# Allegro board RK3588_Template_LP4XD200P232SD8_41R0X41R0_2133MHz_H1R0_V10_20211230.brd (continued)
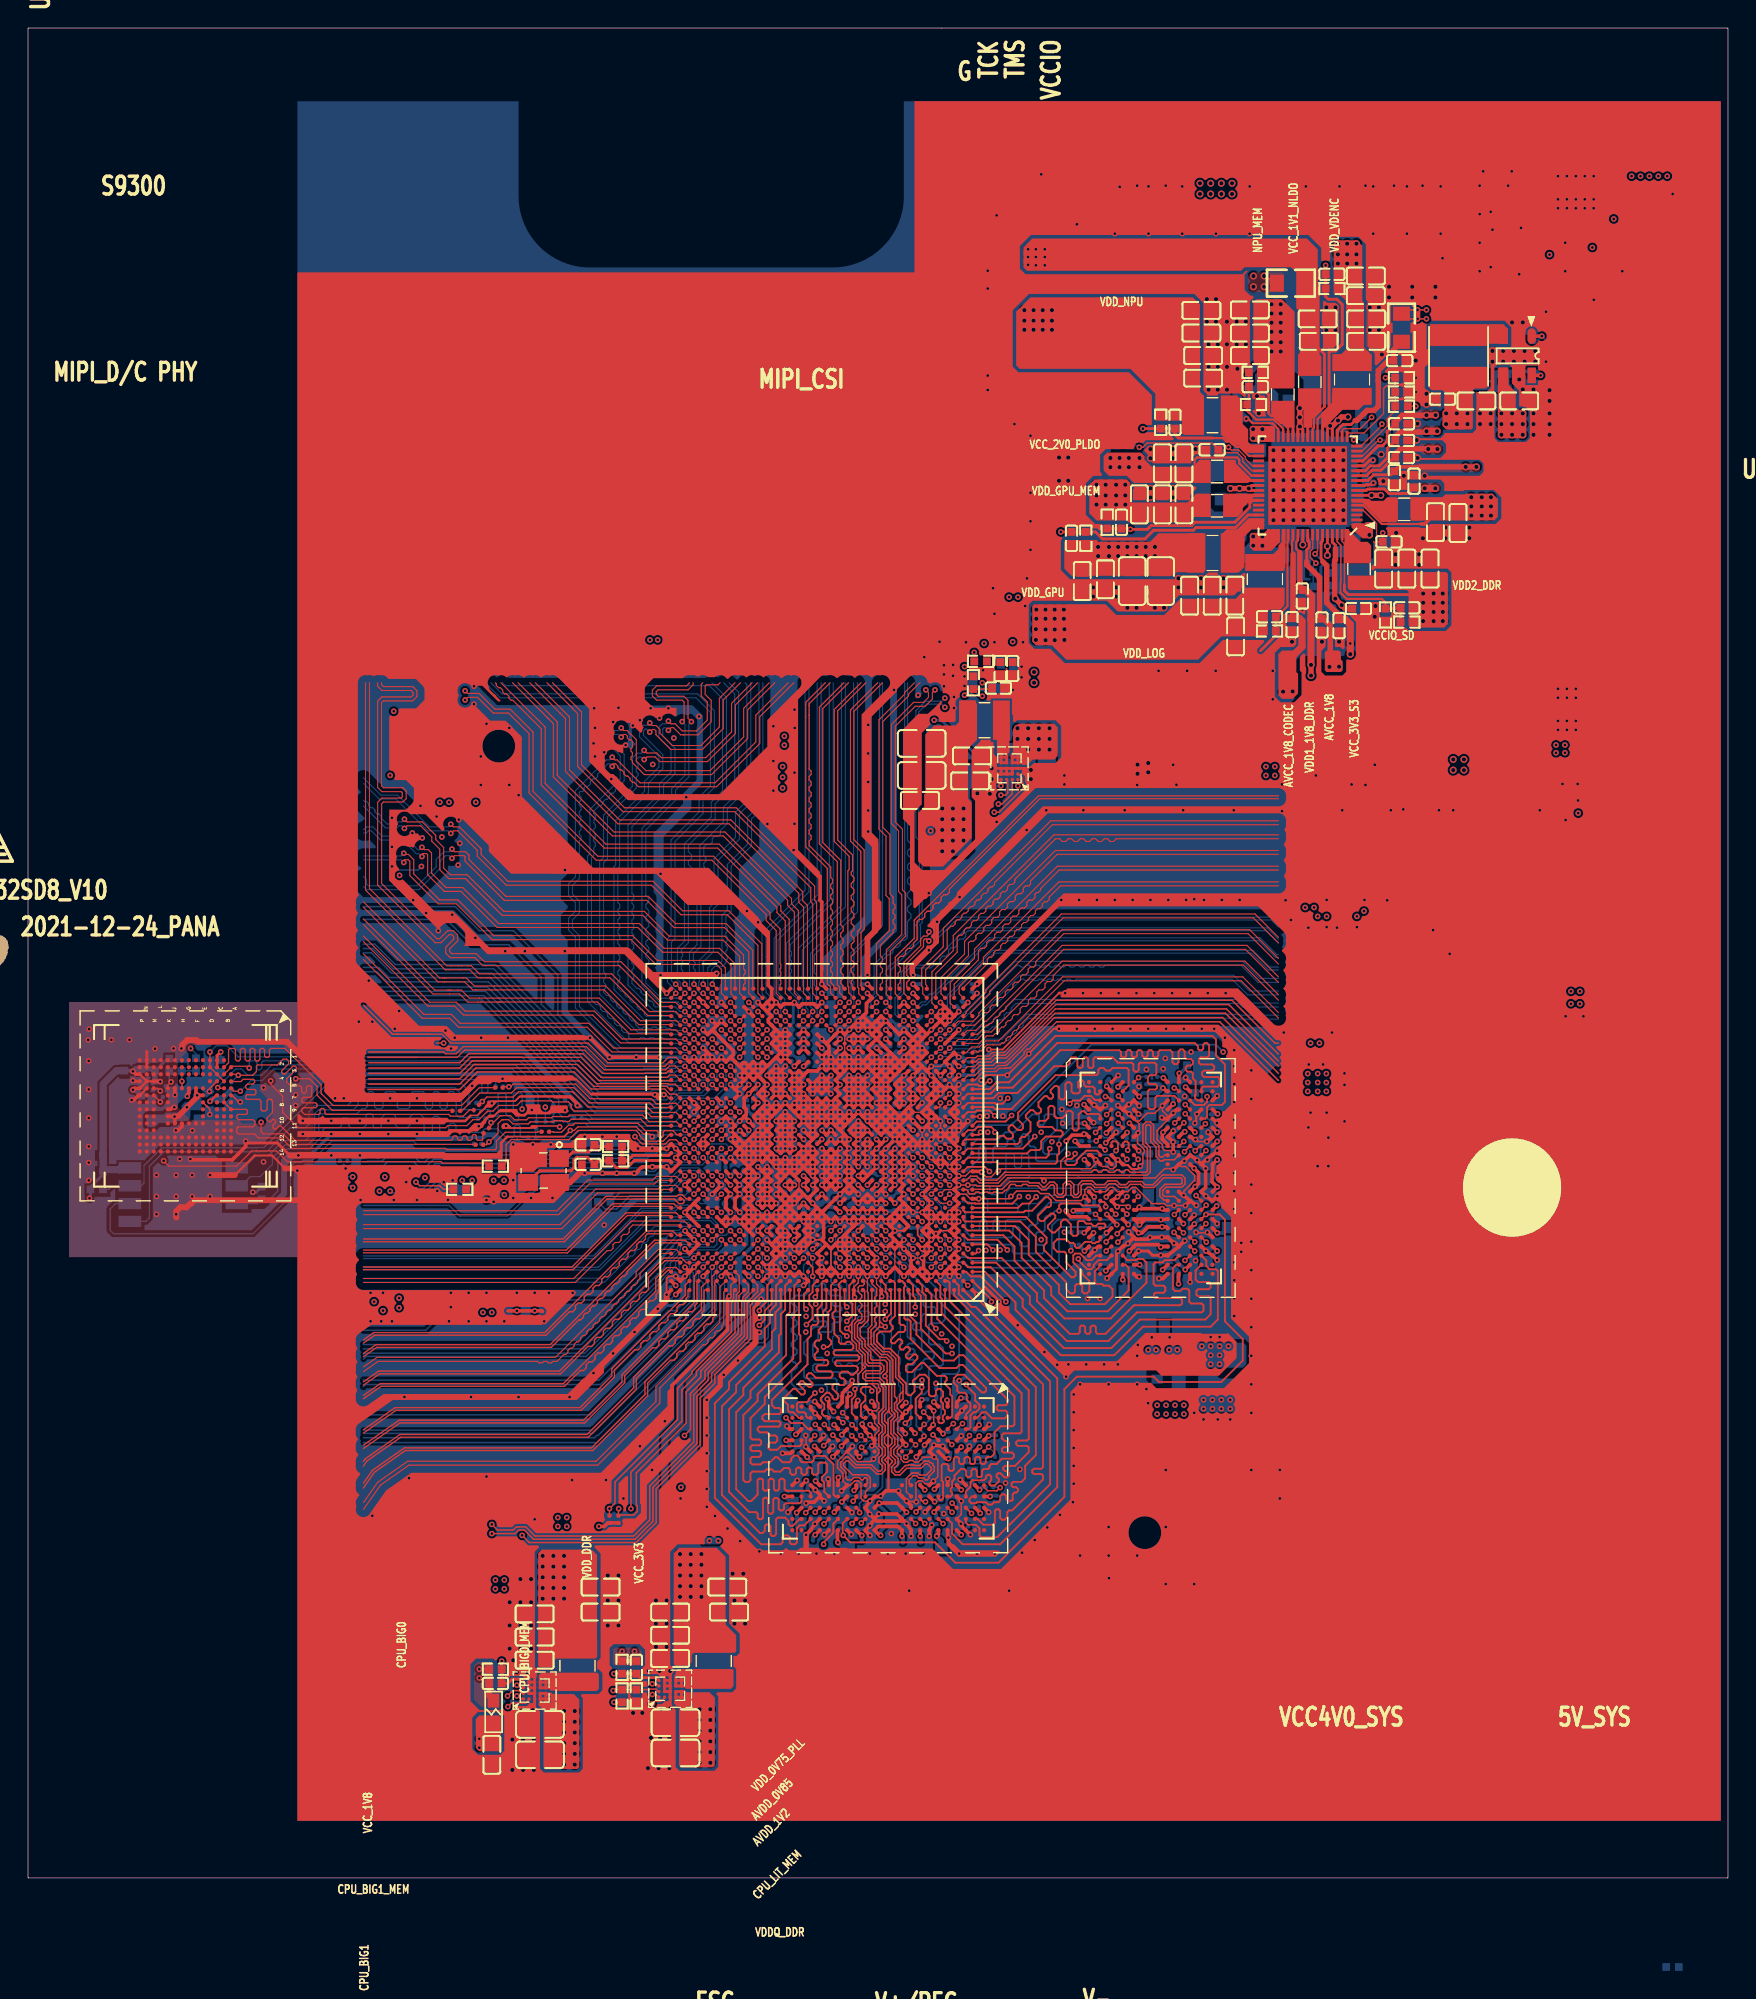
[diagram p0: board, top side]
## Routing (per net, layer and track width the routed paths; a pad name or vN(x,y) marks a point on that pad's centre or on a via; arc(x,y) is an arc through that point) (continued)
EMMC_DATA_STROBE: length 40
  TOP w0.086: v1(17.27,56.74) 17.27,56.52 18.12,55.66 18.12,54.52 19.24,53.41 29.74,53.41 29.89,53.56 31.25,53.56 31.67,53.99 32.12,53.99 32.66,54.53 32.66,54.53 32.72,54.59 33.1,54.59 33.5,54.99 34.73,54.99 34.73,54.99 34.8,54.99 35.12,55.32 35.61,55.32 35.62,55.31 35.63,55.32 37.26,55.32 37.33,55.25 38.47,55.25 38.67,55.05 38.67,54.79 38.73,54.73
  TOP w0.089: 38.73,54.73 38.87,54.6 43.96,54.6 44.35,54.2 U1000.Y34
  L6-S2 w0.079: v1(17.27,56.74) 17.27,57.07 16.01,58.33 15.24,58.33 14.99,58.08 12.54,58.08 v1(11.58,59.05)
  BOTTOM w0.086: v1(11.58,59.05) 11.96,58.67 R4003.1
EMMC_RSTN: length 24.7
  TOP w0.086: v1(10.18,56.67) 9.95,56.45 U4000.K5 ; R1318.2 30.19,54.65 21.65,54.65 20.6,55.69 20.6,55.71 20.57,55.73 20.57,56.36 20.04,56.9 v1(19.05,56.9)
  L6-S2 w0.079: v1(19.05,56.9) 18.8,56.9 17.66,55.76 16.5,55.76 15.42,56.84 14.84,56.84 14.19,57.49 12.06,57.49 12.02,57.53 10.41,57.53 10.18,57.3 v1(10.18,56.67)
  BOTTOM w0.086: 10.05,57.46 R4002.2 10.05,56.8 v1(10.18,56.67)
ETH0_REFCLKO_25M: length 25.6
  TOP w0.089: v1(48.07,57.13) 48.39,56.8 U1000.AD30
  L6-S2 w0.089: v1(48.07,57.13) 47.72,57.47 46.64,57.47 46.32,57.79 45.03,57.79
  L6-S2 w0.104: 23.88,58.29 30.35,58.29 30.87,58.81 31.22,58.81 43.68,58.81 44.7,57.79 45.03,57.79
FSPI_CLK: length 33.2
  BOTTOM w0.086: R1304.2 31.72,52.22 27.66,52.22 27.43,52.45 21.61,52.45 20.24,51.09 19.59,51.09 19.44,50.93 18.98,50.93 18.68,50.63 18.68,50.05 18.67,50.04 18.67,48.52 16.01,45.86 6.08,45.86 5.84,46.1 5.84,47.62 6.22,48.01 U4300.6
FSPI_CS0: length 35.2
  L6-S2 w0.079: v1(36.83,54.87) 36.58,55.12 35.56,55.12 v1(35.18,54.74)
  BOTTOM w0.086: U4300.1 15.37,50.55 16.22,51.4 16.55,51.4 16.58,51.42 17.11,51.42 18.17,52.49 19.72,52.49 20.41,53.18 20.41,54.43 20.67,54.68 23.15,54.68 23.49,55.02 23.49,56.01 23.75,56.26 30.38,56.26 30.86,55.78 30.86,54.78 30.95,54.7 32.81,54.7 32.89,54.61 32.89,54.31 32.98,54.22 33.38,54.22 33.47,54.3 33.47,55.76 33.55,55.85 33.94,55.85 34.04,55.75 34.04,54.39 34.55,53.88 34.83,53.88 34.92,53.98 34.92,54.23 34.54,54.61 34.54,55.79 34.63,55.88 35.09,55.88 35.18,55.79 v1(35.18,54.74) ; v1(36.83,54.87) 36.83,53.87 R1305.2
FSPI_D0: length 32.5
  BOTTOM w0.086: R1300.2 31.39,55.98 31.15,56.23 31.15,56.25 30.85,56.55 23.4,56.55 22.99,56.13 22.99,55.25 22.73,54.99 20.43,54.99 20.16,54.71 20.16,54.71 20,54.56 20,53.66 19.75,53.41 18.68,53.41 16.99,51.71 16.46,51.71 16.43,51.69 9.65,51.69 8.64,50.67 8.64,46.99 8.38,46.74 U4300.5
FSPI_D1: length 31.5
  BOTTOM w0.086: R1301.2 31.97,54.14 30.7,54.14 30.48,54.36 30.48,55.75 30.26,55.97 29.99,55.97 29.84,55.82 29.84,54.89 29.69,54.74 29.47,54.74 29.32,54.89 29.32,55.82 29.17,55.97 28.95,55.97 28.8,55.82 28.8,54.89 28.65,54.74 28.44,54.74 28.28,54.89 28.28,55.82 28.13,55.97 27.4,55.97 27.18,55.75 27.18,54.89 27.05,54.76 26.42,54.76 26.29,54.89 26.29,55.75 26.07,55.97 25.49,55.97 25.27,55.75 25.27,54.89 25.15,54.76 24.82,54.76 24.67,54.91 24.67,55.82 24.51,55.97 24.3,55.97 24.15,55.82 24.15,54.91 24,54.76 23.77,54.76 23.4,54.39 20.79,54.39 20.7,54.31 20.7,52.97 19.93,52.2 18.32,52.2 17.4,51.28 17.4,50.8 16.52,49.92 15.82,49.92 15.17,49.28 U4300.2
FSPI_D2: length 35.4
  BOTTOM w0.086: R1302.2 35.17,52.71 35.04,52.83 35.04,53.48 34.92,53.59 34.74,53.59 34.61,53.47 34.61,52.83 34.48,52.71 34.04,52.71 33.42,53.33 32.53,53.33 32.27,53.07 30.62,53.07 30.47,53.22 30.47,53.57 30.32,53.72 30.1,53.72 29.95,53.57 29.95,53.22 29.8,53.07 29.46,53.07 29.31,53.22 29.31,54.08 29.15,54.23 28.94,54.23 28.79,54.08 28.79,53.22 28.64,53.07 28.34,53.07 28.19,53.21 28.19,54.1 27.94,54.36 27.38,54.36 27.18,54.15 27.18,53.59 26.99,53.41 26.35,53.41 26.16,53.59 26.16,54.23 26.04,54.36 25.4,54.36 25.15,54.1 25.15,53.49 25.06,53.41 24.65,53.41 24.58,53.48 24.58,54.23 24.43,54.37 24.15,54.37 24.07,54.29 24.07,53.6 23.88,53.41 22.98,53.41 22.83,53.56 22.83,53.95 22.68,54.1 22.47,54.1 22.31,53.95 22.31,53.56 22.16,53.41 21.15,53.41 20.99,53.25 20.99,52.85 20.05,51.91 19.81,51.91 18.44,51.91 17.78,51.25 17.78,50.42 17.77,50.42 17.77,48.89 17.2,48.32 R4300.2 16.33,48.01 U4300.3
FSPI_D3: length 34
  BOTTOM w0.086: R4301.2 5.75,49.02 6.01,49.28 U4300.7 8.05,49.28 8.26,49.48 8.26,50.71 9.52,51.98 16.31,51.98 16.34,52 16.8,52 21.63,56.84 32.18,56.84 32.31,56.71 32.31,56.01 32.43,55.88 32.61,55.88 32.74,56.01 32.74,56.71 32.87,56.84 33.17,56.84 33.29,56.72 R1303.2
GMAC0_MCLKINOUT: length 22.5
  TOP w0.089: 27.69,58.8 29.59,58.8 29.72,58.67 30.48,58.67 30.99,59.18 39.75,59.18 41.15,57.79 45.34,57.79 45.66,58.1 U1000.AF34
  TOP w0.104: 27.69,58.8 24.26,58.8
GMAC0_MDC: length 25.8
  TOP w0.089: v1(45.27,55.76) 45.39,55.76 45.66,55.5 U1000.AB34
  BOTTOM w0.089: 45.02,56.01 v1(45.27,55.76)
  BOTTOM w0.104: 23.88,64.52 24.85,64.52 25.57,63.79 25.82,63.79 25.82,63.8 32.77,63.8 40.61,55.95 44.34,55.95 44.48,56.1 44.93,56.1 45.02,56.01
GMAC0_MDIO: length 23.5
  TOP w0.089: U1000.AB33 46.14,55.8 45.69,55.8 45.33,56.16 40.1,56.16 38.89,57.38 37.71,57.38
  TOP w0.104: 37.71,57.38 31.98,57.38 30.73,56.13 24.2,56.13
GMAC0_RSTN_L: length 34.4
  TOP w0.089: U1000.AM25 v1(51.32,62.33)
  L6-S2 w0.089: v1(51.32,62.33) 51.32,62.12 51.62,61.81 51.62,58.93 50.8,58.1 50.48,58.1 49.85,58.74 49.09,58.74 49.06,58.77 46.64,58.77 45.03,60.37
  L6-S2 w0.104: 23.88,59.18 25.53,59.18 27.76,61.41 43.82,61.41 44.86,60.37 45.03,60.37
GMAC0_RXCLK: length 29
  TOP w0.089: U1000.AE32 v1(46.77,57.78)
  BOTTOM w0.089: v1(46.77,57.78) 46.22,57.78 46.08,57.63 45.03,57.63
  BOTTOM w0.104: 45.03,57.63 43.84,57.63 43.77,57.56 43.6,57.56 41.17,57.56 36.53,62.2 36.53,64.12 34.22,66.44 31.58,66.44 29.78,68.23 23.88,68.23
GMAC0_RXD0: length 27.2
  TOP w0.089: U1000.AD32 47.09,56.8 v1(46.77,57.13)
  BOTTOM w0.089: 44.99,57.02 46.1,57.02 46.21,57.13 v1(46.77,57.13)
  BOTTOM w0.104: 44.99,57.02 44.1,57.02 44.03,56.95 40.92,56.95 33.15,64.72 26.01,64.72 24.56,66.17 23.88,66.17
GMAC0_RXD1: length 28
  TOP w0.089: U1000.AD31 47.74,56.8 v1(47.42,57.13)
  BOTTOM w0.089: v1(47.42,57.13) 47.09,57.45 46.16,57.45 46.1,57.39 46.09,57.39 46.02,57.33 44.99,57.33
  BOTTOM w0.104: 23.88,66.48 24.69,66.48 26.14,65.02 33.28,65.02 33.53,64.77 41.05,57.26 43.73,57.26 43.73,57.26 43.9,57.26 43.97,57.33 44.99,57.33
GMAC0_RXD2: length 27
  TOP w0.089: v1(46.77,56.48) 47.09,56.15 U1000.AC32
  BOTTOM w0.089: 44.99,56.4 45.06,56.4 45.06,56.41 46.69,56.41 v1(46.77,56.48)
  BOTTOM w0.104: 23.88,64.82 24.98,64.82 25.7,64.1 32.9,64.1 40.74,56.26 44.21,56.26 44.35,56.4 44.99,56.4
GMAC0_RXD3: length 28
  TOP w0.089: U1000.AC31 47.74,56.15 v1(47.42,56.48)
  BOTTOM w0.089: 44.99,56.71 45.01,56.71 45.01,56.71 46.17,56.71 46.26,56.8 47.09,56.8 v1(47.42,56.48)
  BOTTOM w0.104: 44.99,56.71 44.22,56.71 44.16,56.64 40.79,56.64 33.02,64.41 25.89,64.41 24.44,65.86 23.88,65.86
GMAC0_RXDV_CRS: length 30.5
  TOP w0.089: U1000.AE31 v1(47.42,57.78)
  BOTTOM w0.089: v1(47.42,57.78) 47.09,58.1 46.16,58.1 46,57.94 45.03,57.94
  BOTTOM w0.104: 45.03,57.94 41.23,57.94 37.72,61.45 37.72,64.28 34.56,67.44 32.13,67.44 30.42,69.15 23.88,69.15
GPIO3_A0_U: length 38.8
  TOP w0.089: U1000.AA29 v1(48.72,54.53)
  L3-POWER1 w0.089: v1(48.72,54.53) 48.39,54.85 48.39,55.31 48.2,55.5 47.8,55.5 47.56,55.74 46.38,55.74 45.22,56.9 45.22,56.96 44.99,57.19
  L3-POWER1 w0.104: 44.99,57.19 44.07,58.11 44.07,59.18 40.51,62.74 40.51,74.53 35.85,79.19 35.85,81.32 32.08,85.09
GPIO3_A7_U: length 33
  TOP w0.089: U1000.AG29 v1(48.72,59.08)
  L3-POWER1 w0.089: v1(48.72,59.08) 48.39,59.4 48.39,59.86 48.18,60.07 47.94,60.07 47.72,60.28 47.72,60.51 47.54,60.69 47.32,60.69 47.07,60.93 47.07,61.16 46.89,61.34 46.67,61.34 46.42,61.58 46.42,63.11 46.21,63.32 45.99,63.32 45.6,63.71
  L3-POWER1 w0.104: 34.37,85.09 37.47,81.99 37.47,79.99 45.59,71.86 45.59,63.71 45.6,63.71
GPIO3_C0_D: length 0.5
  TOP w0.089: U1000.Y29 v1(48.72,53.88)
HDMI0_TX0N_PORT/EDP0_TX_D0N: length 25.5
  TOP w0.076: 89.03,63.75 86.67,66.11 73.74,66.11 69.62,61.98 69.62,61.93 69.62,61.93 69.62,61.87 69.45,61.71 69.4,61.71 69.34,61.71 69.18,61.55 69.18,61.49 69.18,61.49 69.18,61.43 69.02,61.27 68.96,61.27 68.9,61.27 68.74,61.11 68.74,61.05 68.74,61.05 68.74,60.99 68.58,60.83 68.52,60.83 68.46,60.83 68.34,60.71 68.24,60.71 67.6,60.06 67.25,60.06 U1000.AJ1
HDMI0_TX0P_PORT/EDP0_TX_D0P: length 26
  TOP w0.076: 89.03,64.15 86.79,66.39 73.62,66.39 68.22,60.99 68.13,60.99 67.48,60.34 66.88,60.34 66.78,60.24 U1000.AJ2
HDMI0_TX1N_PORT/EDP0_TX_D1N: length 27
  TOP w0.076: 89.03,65.07 86.87,67.23 73.74,67.23 71.75,65.23 71.75,65.02 71.59,64.85 71.37,64.85 71.2,64.69 71.2,64.47 71.04,64.31 70.82,64.31 70.66,64.15 70.66,63.93 70.5,63.77 70.28,63.77 70.12,63.61 70.12,63.39 69.96,63.23 69.74,63.23 69.58,63.06 69.58,62.85 69.41,62.68 69.2,62.68 69.03,62.52 69.03,62.3 68.87,62.14 68.65,62.14 68.49,61.98 68.49,61.76 68.33,61.6 68.11,61.6 67.97,61.46 67.97,61.28 67.4,60.7 U1000.AK2
HDMI0_TX1P_PORT/EDP0_TX_D1P: length 26.9
  TOP w0.076: U1000.AK3 66.13,60.89 66.23,60.99 67.29,60.99 67.69,61.39 67.69,61.57 73.62,67.51 86.98,67.51 89.03,65.46
HDMI0_TX2N_PORT/EDP0_TX_D2N: length 25.8
  TOP w0.076: 89.03,66.57 87.25,68.35 73.69,68.35 68.48,63.13 68.48,62.94 67.12,61.58 67.12,61.48 U1000.AL1
HDMI0_TX2P_PORT/EDP0_TX_D2P: length 26.3
  TOP w0.076: U1000.AL2 66.79,61.55 66.79,61.65 68.2,63.06 68.2,63.25 73.57,68.62 87.36,68.62 89.03,66.96
HDMI0_TX3N_PORT/EDP0_TX_D3N: length 26.8
  TOP w0.076: U1000.AH2 66.6,59.41 67.71,59.41 68.24,59.94 68.7,59.94 68.86,60.11 69,60.11 69.16,60.27 69.16,60.41 69.32,60.57 69.46,60.57 69.62,60.73 69.62,60.87 69.78,61.03 69.92,61.03 70.08,61.19 70.08,61.33 70.21,61.46 70.48,61.46 70.64,61.62 70.64,61.89 70.8,62.05 71.06,62.05 71.23,62.21 71.23,62.47 71.39,62.64 71.65,62.64 71.81,62.8 71.81,63.06 71.98,63.22 72.24,63.22 72.4,63.39 72.4,63.65 72.57,63.81 72.83,63.81 72.99,63.97 72.99,64.24 73.74,64.99 86.52,64.99 89.03,62.48
HDMI0_TX3P_PORT/EDP0_TX_D3P: length 26.5
  TOP w0.076: 89.03,62.88 86.64,65.27 73.62,65.27 68.58,60.22 68.12,60.22 67.59,59.69 66.71,59.69 66.71,59.69 66.47,59.69 66.47,59.69 66.23,59.69 66.13,59.59 U1000.AH3
HDMI0_TX_ON_H: length 45.9
  TOP w0.089: U1000.AL24 v1(51.97,61.68)
  L6-S2 w0.089: 51.66,63.86 51.66,62.2 51.97,61.89 v1(51.97,61.68)
  L6-S2 w0.104: 89.03,73.91 81.64,73.91 80.68,72.96 57.97,72.96 57.84,72.83 53.1,68.08 53.1,65.43 52.01,64.35 52.01,64.21 51.66,63.86
HDMI0_TX_SBDN/EDP0_TX_AUXN: length 25.3
  TOP w0.076: 89.03,61.21 86.37,63.87 73.78,63.87 70.53,60.62 70.53,60.56 70.53,60.5 70.37,60.34 70.3,60.34 70.24,60.34 70.08,60.17 70.08,60.11 70.08,60.05 69.92,59.89 69.85,59.89 69.79,59.89 69.63,59.72 69.63,59.66 69.63,59.6 69.47,59.43 69.4,59.44 69.34,59.44 69.22,59.31 68.71,59.31 68.71,59.31 68.29,59.31 67.86,58.88 67.76,58.88 67.68,58.8 67.56,58.8 67.49,58.88 67.32,58.88 67.24,58.8 U1000.AG1
HDMI0_TX_SBDP/EDP0_TX_AUXP: length 25.7
  TOP w0.076: 89.03,61.61 86.49,64.15 73.66,64.15 69.1,59.59 68.82,59.59 68.18,59.59 67.74,59.16 67.2,59.16 66.8,58.75 U1000.AG2
HDMI1_TX0N_PORT/EDP1_TX_D0N: length 29.8
  TOP w0.076: 89.03,72.87 73.26,72.87 71.37,70.98 71.37,70.74 71.26,70.63 71.14,70.63 71.02,70.63 70.86,70.47 70.86,70.35 70.86,70.23 70.7,70.07 70.58,70.07 70.46,70.07 70.3,69.91 70.3,69.79 70.3,69.78 70.3,69.67 70.14,69.5 70.02,69.5 69.9,69.5 69.74,69.34 69.74,69.22 69.74,69.22 69.74,69.1 69.57,68.94 69.45,68.94 69.33,68.94 69.17,68.78 69.17,68.66 69.17,68.54 69.01,68.38 68.89,68.38 68.77,68.38 68.61,68.22 68.61,68.1 68.61,68.09 68.61,67.97 68.45,67.81 68.33,67.81 68.21,67.81 68.05,67.65 68.05,67.53 68.05,67.53 68.05,67.41 67.88,67.25 67.76,67.25 67.64,67.25 67.48,67.09 67.48,66.97 67.48,66.85 67.32,66.69 67.2,66.69 67.08,66.69 66.95,66.56 66.95,65.66 65.29,63.99 65.29,63.31 U1000.AP4
HDMI1_TX0P_PORT/EDP1_TX_D0P: length 29.9
  TOP w0.076: 89.03,73.15 73.15,73.15 66.67,66.68 66.67,65.77 65.01,64.11 65.01,63.43 65,63.42 65,62.94 65.1,62.84 U1000.AN4
HDMI1_TX1N_PORT/EDP1_TX_D1N: length 32.5
  TOP w0.076: 89.03,73.99 77.48,73.99 77.28,73.79 77.05,73.79 76.86,73.99 76.63,73.99 76.43,73.79 76.2,73.79 76,73.99 75.77,73.99 75.58,73.79 75.35,73.79 75.15,73.99 74.92,73.99 74.72,73.79 74.49,73.79 74.3,73.99 74.07,73.99 73.87,73.79 73.64,73.79 73.44,73.99 73.16,73.99 70.25,71.08 70.25,70.98 70.25,70.89 70.09,70.73 69.9,70.73 69.74,70.56 69.74,70.47 69.74,70.37 69.58,70.21 69.38,70.21 69.22,70.05 69.22,69.95 69.22,69.86 69.06,69.7 68.87,69.7 68.71,69.53 68.71,69.44 68.71,69.34 68.55,69.18 68.35,69.18 68.19,69.02 68.19,68.92 68.19,68.83 68.03,68.67 67.84,68.67 67.68,68.5 67.68,68.41 67.68,68.31 67.52,68.15 67.32,68.15 67.16,67.99 67.16,67.89 67.16,67.8 67,67.64 66.81,67.64 66.65,67.47 66.65,67.38 66.65,67.28 66.49,67.12 66.29,67.12 66.15,66.98 66.15,65.91 64.63,64.38 64.63,62.66 U1000.AN5
HDMI1_TX1P_PORT/EDP1_TX_D1P: length 32
  TOP w0.076: 89.03,74.26 73.04,74.26 65.87,67.1 65.87,66.02 64.35,64.5 64.35,62.29 U1000.AM5
HDMI1_TX2N_PORT/EDP1_TX_D2N: length 32.1
  TOP w0.076: 89.03,74.98 72.93,74.98 68.81,70.86 68.81,70.72 68.65,70.56 68.51,70.56 68.35,70.39 68.35,70.25 68.18,70.09 68.04,70.09 67.88,69.93 67.88,69.78 67.72,69.62 67.57,69.62 67.41,69.46 67.41,69.32 67.25,69.15 67.11,69.15 66.94,68.99 66.94,68.85 66.78,68.69 66.64,68.69 66.48,68.52 66.48,68.38 66.31,68.22 66.17,68.22 66.01,68.06 66.01,67.91 65.85,67.75 65.7,67.75 65.44,67.49 65.44,66.18 63.91,64.64 63.91,63.61 63.99,63.53 U1000.AP6
HDMI1_TX2P_PORT/EDP1_TX_D2P: length 32.8
  TOP w0.076: 89.03,75.26 72.82,75.26 65.16,67.61 65.16,66.29 63.63,64.76 63.63,63.5 63.7,63.42 63.7,62.94 U1000.AN6
HDMI1_TX3N_PORT/EDP1_TX_D3N: length 28.9
  TOP w0.076: U1000.AN3 65.94,63.63 67.67,65.35 67.67,66.01 67.84,66.19 67.97,66.19 68.09,66.18 68.25,66.35 68.25,66.6 68.41,66.76 68.54,66.76 68.66,66.76 68.82,66.92 68.82,67.17 68.99,67.33 69.11,67.33 69.23,67.33 69.4,67.49 69.4,67.74 69.56,67.9 69.68,67.9 69.81,67.9 69.97,68.06 69.97,68.31 70.13,68.47 70.25,68.47 70.38,68.47 70.54,68.63 70.54,68.88 70.7,69.05 70.83,69.05 70.95,69.04 71.11,69.21 71.11,69.46 71.27,69.62 71.4,69.62 71.52,69.62 71.68,69.78 71.68,70.03 71.81,70.15 71.93,70.15 72.09,70.32 72.09,70.44 73.41,71.75 89.03,71.75
HDMI1_TX3P_PORT/EDP1_TX_D3P: length 29
  TOP w0.076: 89.03,72.03 73.29,72.03 67.39,66.13 67.39,65.47 65.66,63.74 65.66,62.78 65.65,62.77 65.65,62.29 U1000.AM3
HDMI1_TX_ON_H: length 46.4
  TOP w0.089: U1000.AK25 v1(51.97,60.38)
  L6-S2 w0.089: 52.47,63.86 52.48,63.85 52.48,61.08 51.97,60.57 v1(51.97,60.38)
  L6-S2 w0.104: 52.47,63.86 52.47,64.16 53.56,65.24 53.56,67.89 58.16,72.5 80.87,72.5 81.8,73.43 89.03,73.43
HDMI1_TX_SBDN/EDP1_TX_AUXN: length 26.6
  TOP w0.076: 89.03,70.63 73.51,70.63 72.71,69.83 72.71,69.66 72.55,69.5 72.38,69.5 72.22,69.34 72.22,69.17 72.05,69.01 71.88,69.01 71.72,68.84 71.72,68.67 71.56,68.51 71.39,68.51 71.23,68.35 71.23,68.18 71.07,68.02 70.9,68.02 70.73,67.86 70.73,67.69 70.57,67.52 70.4,67.52 70.24,67.36 70.24,67.19 70.08,67.03 69.91,67.03 69.75,66.87 69.75,66.7 69.59,66.54 69.41,66.54 69.25,66.38 69.25,66.2 69.09,66.04 68.92,66.04 68.76,65.88 68.76,65.71 68.6,65.55 68.43,65.55 68.3,65.42 68.3,65.09 66.59,63.37 66.59,63.31 U1000.AP2
HDMI1_TX_SBDP/EDP1_TX_AUXP: length 27
  TOP w0.076: 89.03,70.91 73.39,70.91 68.02,65.54 68.02,65.2 66.29,63.47 66.29,62.95 U1000.AN2
HDMI_RX_CEC: length 46.6
  TOP w0.089: U1000.AG23 v1(52.62,59.08)
  L6-S2 w0.089: 53.57,63.86 53.59,63.84 53.59,60.92 53.21,60.54 53.21,59.68 v1(52.62,59.08)
  L6-S2 w0.104: 89.03,72.67 82.02,72.67 81.13,71.78 58.42,71.78 54.25,67.61 54.25,64.83 53.57,64.15 53.57,63.86
HDMI_RX_CLKN: length 25.9
  TOP w0.076: U1000.AF5 v1(64.96,58.43)
  BOTTOM w0.076: v1(64.96,58.43) 65.02,58.48 65.86,58.48 66.13,58.75 67.52,58.75 68.21,59.43 69.46,59.43 69.66,59.63 69.79,59.63 69.95,59.79 69.95,59.92 70.11,60.08 70.24,60.08 70.4,60.24 70.4,60.37 70.57,60.53 70.69,60.53 70.85,60.69 70.85,60.82 71.23,61.2 86.06,61.2 86.13,61.14 89.03,61.14
HDMI_RX_CLKP: length 26.5
  TOP w0.076: U1000.AF6 v1(64.31,58.43)
  BOTTOM w0.076: 89.03,61.42 86.24,61.42 86.18,61.48 71.12,61.48 69.35,59.71 68.09,59.71 67.41,59.03 66.01,59.03 65.75,58.76 64.65,58.76 v1(64.31,58.43)
HDMI_RX_D0N: length 25.7
  TOP w0.076: v1(65.61,59.08) U1000.AG4
  BOTTOM w0.076: v1(65.61,59.08) 65.61,59.08 65.61,59.19 65.69,59.26 66.9,59.26 67.95,60.32 68.39,60.32 68.66,60.59 68.84,60.59 69,60.75 69,60.93 69.16,61.09 69.34,61.09 69.5,61.25 69.5,61.43 69.67,61.59 69.84,61.59 70,61.75 70,61.93 70.33,62.26 86.23,62.26 86.48,62 89.03,62
HDMI_RX_D0P: length 26.1
  TOP w0.076: U1000.AG5 v1(64.96,59.08)
  BOTTOM w0.076: 89.03,62.28 86.6,62.28 86.35,62.53 70.22,62.53 68.28,60.6 67.84,60.6 66.78,59.54 65.57,59.54 65.29,59.26 65.15,59.26 v1(64.96,59.08)
HDMI_RX_D1N: length 27.3
  TOP w0.076: U1000.AH5 v1(64.96,59.73)
  BOTTOM w0.076: 89.03,62.87 86.84,62.87 85.72,63.98 74.63,63.98 74.52,63.88 74.3,63.88 74.19,63.98 73.97,63.98 73.86,63.88 73.64,63.88 73.53,63.98 73.31,63.98 73.2,63.88 72.98,63.88 72.87,63.98 72.65,63.98 72.54,63.88 72.32,63.88 72.21,63.98 71.98,63.98 71.88,63.88 71.65,63.88 71.55,63.98 71.32,63.98 71.22,63.88 70.99,63.88 70.89,63.98 70.71,63.98 66.51,59.78 64.98,59.78 64.98,59.76 64.96,59.74 v1(64.96,59.73)
HDMI_RX_D1P: length 27.5
  TOP w0.076: U1000.AH6 v1(64.31,59.73)
  BOTTOM w0.076: 89.03,63.14 86.96,63.14 85.84,64.26 70.6,64.26 66.4,60.06 64.65,60.06 v1(64.31,59.73)
HDMI_RX_D2N: length 27.2
  TOP w0.076: U1000.AJ4 v1(65.61,60.38)
  BOTTOM w0.076: 89.03,63.75 87.57,63.75 86.36,64.97 76.68,64.97 76.62,64.91 76.56,64.85 76.33,64.85 76.27,64.91 76.2,64.97 75.98,64.97 75.91,64.91 75.85,64.85 75.62,64.85 75.56,64.91 75.5,64.97 75.27,64.97 75.21,64.91 75.15,64.85 74.92,64.85 74.86,64.91 74.8,64.97 74.57,64.97 74.51,64.91 74.45,64.85 74.22,64.85 74.16,64.91 74.1,64.97 73.87,64.97 73.81,64.91 73.75,64.85 73.52,64.85 73.46,64.91 73.4,64.97 73.17,64.97 73.11,64.91 73.04,64.85 72.82,64.85 72.75,64.91 72.69,64.97 72.47,64.97 72.4,64.91 72.34,64.85 72.11,64.85 72.05,64.91 71.99,64.97 71.76,64.97 71.7,64.91 71.64,64.85 71.41,64.85 71.35,64.91 71.29,64.97 71.06,64.97 71,64.91 70.94,64.85 70.71,64.85 70.65,64.91 70.59,64.97 70.41,64.97 65.81,60.38 v1(65.61,60.38)
HDMI_RX_D2P: length 27
  TOP w0.076: v1(64.96,60.38) U1000.AJ5
  BOTTOM w0.076: 89.03,64.03 87.69,64.03 86.48,65.25 70.29,65.25 65.74,60.7 65.48,60.7 65.16,60.38 v1(64.96,60.38)
HDMI_RX_SCL_M1: length 47.8
  TOP w0.089: U1000.AG25 v1(51.97,58.43)
  L6-S2 w0.089: 53.87,63.86 53.87,63.76 53.87,62.16 54.22,61.81 54.22,60.9 54.01,60.69 53.79,60.69 53.4,60.3 53.4,59.41 52.75,58.75 52.29,58.75 v1(51.97,58.43)
  L6-S2 w0.104: 53.87,63.86 53.87,63.95 54.48,64.56 54.48,67.51 58.47,71.5 81.18,71.5 82.07,72.39 89.03,72.39
HDMI_RX_SDA_M1: length 47.1
  TOP w0.089: U1000.AG24 v1(52.62,58.43)
  L6-S2 w0.089: 54.1,63.86 54.1,62.35 54.44,62.02 54.44,60.43 54.04,60.04 53.79,60.04 53.61,59.86 53.61,59.3 52.73,58.43 v1(52.62,58.43)
  L6-S2 w0.104: 54.1,63.86 54.8,64.55 54.8,67.5 58.57,71.27 81.28,71.27 82.15,72.14 89.03,72.14
HDMI_TX0_REXT: length 0.9
  TOP w0.254: U1000.AM2 v1(66.91,62.33)
  BOTTOM w0.254: 66.47,62.41 66.55,62.33 v1(66.91,62.33)
HDMI_TX1_REXT: length 0.9
  TOP w0.254: U1000.AN1 v1(67.56,62.98)
  BOTTOM w0.254: v1(67.56,62.98) 67.33,62.98 R1719.1
HDMIIRX_DET_L: length 27.2
  TOP w0.089: U1000.AB30 48.39,55.5 v1(48.72,55.18)
  L6-S2 w0.089: 44.99,55.07 45.91,55.07 46.53,55.69 47.18,55.69 47.19,55.68 47.62,55.68 47.81,55.49 48.19,55.49 48.5,55.18 v1(48.72,55.18)
  L6-S2 w0.104: 44.99,55.07 42.16,55.07 41.14,56.09 34.86,56.09 34.4,55.63 33.6,55.63 33.37,55.86 31.96,55.86 31.88,55.78 30.56,55.78 30.18,56.16 25.3,56.16 24.01,54.86 23.88,54.86
HDMIIRX_HPDOUT_H: length 29.5
  TOP w0.089: U1000.AA27 v1(50.66,54.53)
  L6-S2 w0.089: v1(50.67,54.53) 50.34,54.85 47.95,54.85 47.76,55.05 47.76,55.28 47.54,55.49 47.11,55.49 47.1,55.5 46.61,55.5 45.95,54.84 44.99,54.84
  L6-S2 w0.104: 23.88,54.63 24.15,54.63 25.45,55.93 30.09,55.93 30.47,55.55 31.97,55.55 32.05,55.63 33.27,55.63 33.53,55.37 34.47,55.37 34.96,55.86 41.04,55.86 42.06,54.84 44.99,54.84
HDMITX0_CEC_M0: length 46.1
  TOP w0.089: U1000.AK24 v1(51.97,61.03)
  L6-S2 w0.089: 52.24,63.86 52.24,62.49 52.29,62.44 52.29,61.35 v1(51.97,61.03)
  L6-S2 w0.104: 52.24,63.86 52.24,64.25 53.33,65.34 53.33,67.99 58.07,72.73 80.78,72.73 81.71,73.66 89.03,73.66
HDMITX0_HPDIN_M1: length 69.1
  TOP w0.089: 50.8,40.53 50.8,41.05 50.88,41.13 50.88,41.33 51.29,41.73 51.29,42.21 U1000.B26
  TOP w0.104: 50.8,40.53 50.8,38.7 48.2,36.1 48.2,35.52 47.16,34.48 47.16,34.41 47.16,34.41 47.16,31.92 v1(46.74,31.5)
  L6-S2 w0.104: v1(46.74,31.5) 47.65,30.58 47.65,23.28 47.58,23.2 47.58,22.14 47.79,21.92 48.31,21.92 49.4,20.83 72.01,20.83 82.42,31.24 89.03,31.24
HDMITX0_SCL_M0: length 29.4
  TOP w0.089: U1000.AJ28 v1(49.37,60.38)
  L6-S2 w0.089: 47.75,63.86 47.75,62.8 47.88,62.67 48.16,62.67 48.37,62.46 48.37,62.21 48.41,62.18 48.41,61.55 48.61,61.34 48.84,61.34 49.06,61.13 49.06,60.69 v1(49.37,60.38)
  L6-S2 w0.104: 23.88,64.5 24.3,64.92 46.71,64.92 47.75,63.88 47.75,63.86
HDMITX0_SDA_M0: length 46.7
  TOP w0.089: U1000.AJ25 v1(51.97,59.73)
  L6-S2 w0.089: v1(51.97,59.73) 51.97,59.84 52.31,60.18 52.31,60.51 52.7,60.91 52.7,63.86
  L6-S2 w0.104: 52.7,63.86 52.7,64.01 53.79,65.09 53.79,67.8 58.26,72.27 80.97,72.27 81.86,73.16 89.03,73.16
HDMITX1_CEC_M2: length 49.8
  TOP w0.089: U1000.AH26 v1(50.67,59.08)
  L6-S2 w0.089: 50.8,62.61 50.72,62.53 50.72,61.56 51.18,61.1 51.18,59.59 v1(50.67,59.08)
  L6-S2 w0.104: 50.8,62.61 50.8,64.01 52.63,65.84 52.63,68.28 57.38,73.02 57.81,73.45 60.23,73.45 60.25,73.47 62.43,73.47 62.45,73.45 80.52,73.45 81.29,74.22 81.44,74.38 89.03,74.38
HDMITX1_HPDIN_M1: length 69.4
  TOP w0.089: v1(51.97,43.48) 52.29,43.15 U1000.C24
  L6-S2 w0.089: v1(51.97,43.48) 52.29,43.15 52.29,42.56 51.47,41.74 51.47,41.05 51.45,41.04
  L6-S2 w0.104: 89.03,31.47 82.33,31.47 71.91,21.06 49.5,21.06 48.31,22.25 48.31,23.2 47.88,23.63 47.88,37.46 51.45,41.04
HDMITX1_SCL_M1: length 50.2
  TOP w0.089: U1000.AG26 v1(50.67,58.43)
  L6-S2 w0.089: v1(50.67,58.43) 50.67,58.62 51.24,59.2 51.37,59.32 51.37,61.18 50.91,61.64 50.91,62.38 51.05,62.53 51.05,63.86
  L6-S2 w0.104: 89.03,74.15 81.54,74.15 80.62,73.22 62.35,73.22 62.34,73.24 60.34,73.24 60.33,73.22 57.91,73.22 57.88,73.19 52.87,68.18 52.87,65.69 51.05,63.88 51.05,63.86
HDMITX1_SDA_M1: length 47.3
  TOP w0.089: U1000.AH25 v1(51.96,59.08)
  L6-S2 w0.089: v1(51.97,59.08) 52.31,59.42 52.31,59.86 52.49,60.04 52.71,60.04 52.92,60.25 52.92,60.51 52.83,60.6 52.83,60.76 52.9,60.83 52.9,63.73 52.93,63.76 52.93,63.83 52.96,63.86
  L6-S2 w0.104: 89.03,72.9 81.93,72.9 81.04,72.01 58.33,72.01 54.02,67.7 54.02,64.92 52.96,63.86
HOST0_REXT: length 0.9
  TOP w0.254: v1(62.36,59.08) U1000.AG9
  BOTTOM w0.254: v1(62.36,59.08) 62.21,59.23 R1400.1 61.98,59.23
HOST1_REXT: length 1
  TOP w0.254: U1000.AH9 v1(62.36,59.73)
  BOTTOM w0.254: R1401.1 62.53,59.56 v1(62.36,59.73)
HOST_WAKE_BT_H: length 38
  TOP w0.089: U1000.AA30 v1(48.07,54.53)
  L3-POWER1 w0.089: v1(48.06,54.53) 47.73,54.86 46.61,54.86 44.99,56.48
  L3-POWER1 w0.104: v1(29.97,76.58) 30.48,76.58 31.62,75.44 31.62,70.59 42.59,59.62 42.59,57.96 43.53,57.02 44.45,57.02 44.99,56.48
  L6-S2 w0.104: v1(29.97,76.58) 29.59,76.2 28.83,76.2 28.26,76.77 23.88,76.77
HP_DET_L: length 31
  TOP w0.089: U1000.G26 v1(50.67,46.08)
  L6-S2 w0.089: v1(50.67,46.08) 50.34,45.75 49.88,45.75 49.69,45.56 49.68,45.13 49.58,45.02 49.57,45.02 49.36,44.82 49.08,44.82 48.89,44.63 47.86,44.63 47.68,44.45 47.3,44.45 47.04,44.2 46.1,44.2 44.99,43.08
  L6-S2 w0.104: 44.99,43.08 44.76,42.85 44.48,42.85 39.4,37.77 23.95,37.77 23.88,37.85
I2C0_SCL_M2: length 1.5
  TOP w0.089: U1000.W29 v1(48.72,53.23)
  TOP w0.104: U2300.A3 44.9,13.66 44.74,13.82 v1(44.45,13.82) ; U2301.A3 35.11,13.53 34.92,13.72 v1(34.8,13.72)
I2C0_SDA_M2: length 28.7
  TOP w0.089: U1000.W30 v1(48.06,53.23)
  TOP w0.104: v1(34.16,12.19) 34.41,12.44 35.42,12.44 35.67,12.68 U2301.B1 ; v1(44.45,12.4) 44.61,12.56 45.04,12.56 45.32,12.84 U2300.B1
  L6-S2 w0.089: 44.99,53.78 45.66,53.78 46.52,52.92 47.54,52.92 47.85,53.23 v1(48.06,53.23)
  L6-S2 w0.104: 44.99,53.78 38.54,53.78 38.23,53.47 38.23,53.31 38,53.09 29.01,53.09 28.1,52.17 23.88,52.17
I2C1_SCL_M2: length 1.5
  TOP w0.104: v1(69.27,77.09) 69.6,77.09 69.75,77.24 69.75,78.12 U2303.A3
I2C1_SCL_M2_TP: length 25.3
  TOP w0.089: U1000.V29 v1(48.72,52.58)
  L6-S2 w0.089: v1(48.72,52.58) 48.41,52.89 47.94,52.89 47.76,52.71 47.76,52.48 47.54,52.27 46.64,52.27 45.58,53.32 44.99,53.32
  L6-S2 w0.104: 25.53,51.94 28.19,51.94 29.11,52.86 38.7,52.86 39.29,53.45 44.86,53.45 44.99,53.32
I2C1_SDA_M2: length 4
  TOP w0.104: U2303.B1 70.51,78.59 70.78,78.32 70.78,77.97 70.85,77.9 70.85,77.59 69.14,75.87 v1(68.8,75.87)
I2C1_SDA_M2_TP: length 29.3
  TOP w0.089: U1000.V28 v1(49.37,52.58)
  L6-S2 w0.089: v1(49.37,52.58) 49.37,52.41 49.04,52.09 49.04,51.83 49.02,51.82 49.02,51.8 48.84,51.62 48.59,51.62 47.97,51.62 47.76,51.41 47.76,51.16 47.37,50.78 46.18,50.78 45.6,51.36 44.99,51.36
  L6-S2 w0.104: 44.99,51.36 44.15,51.36 44.15,51.36 43.09,51.36 42.86,51.58 38.21,51.58 37.75,51.12 30.4,51.12 30.33,51.05 30.32,51.05 28.87,49.6 28.87,49.59 28.51,49.24 28.51,49.24 28.19,48.92 26.57,48.92 25.96,49.53 25.02,49.53 23.88,50.67
